# Altium PCB GPRS-ADM2483-V1.0_______中科院TF卡.PcbDoc (part 1 of 3) (continued)
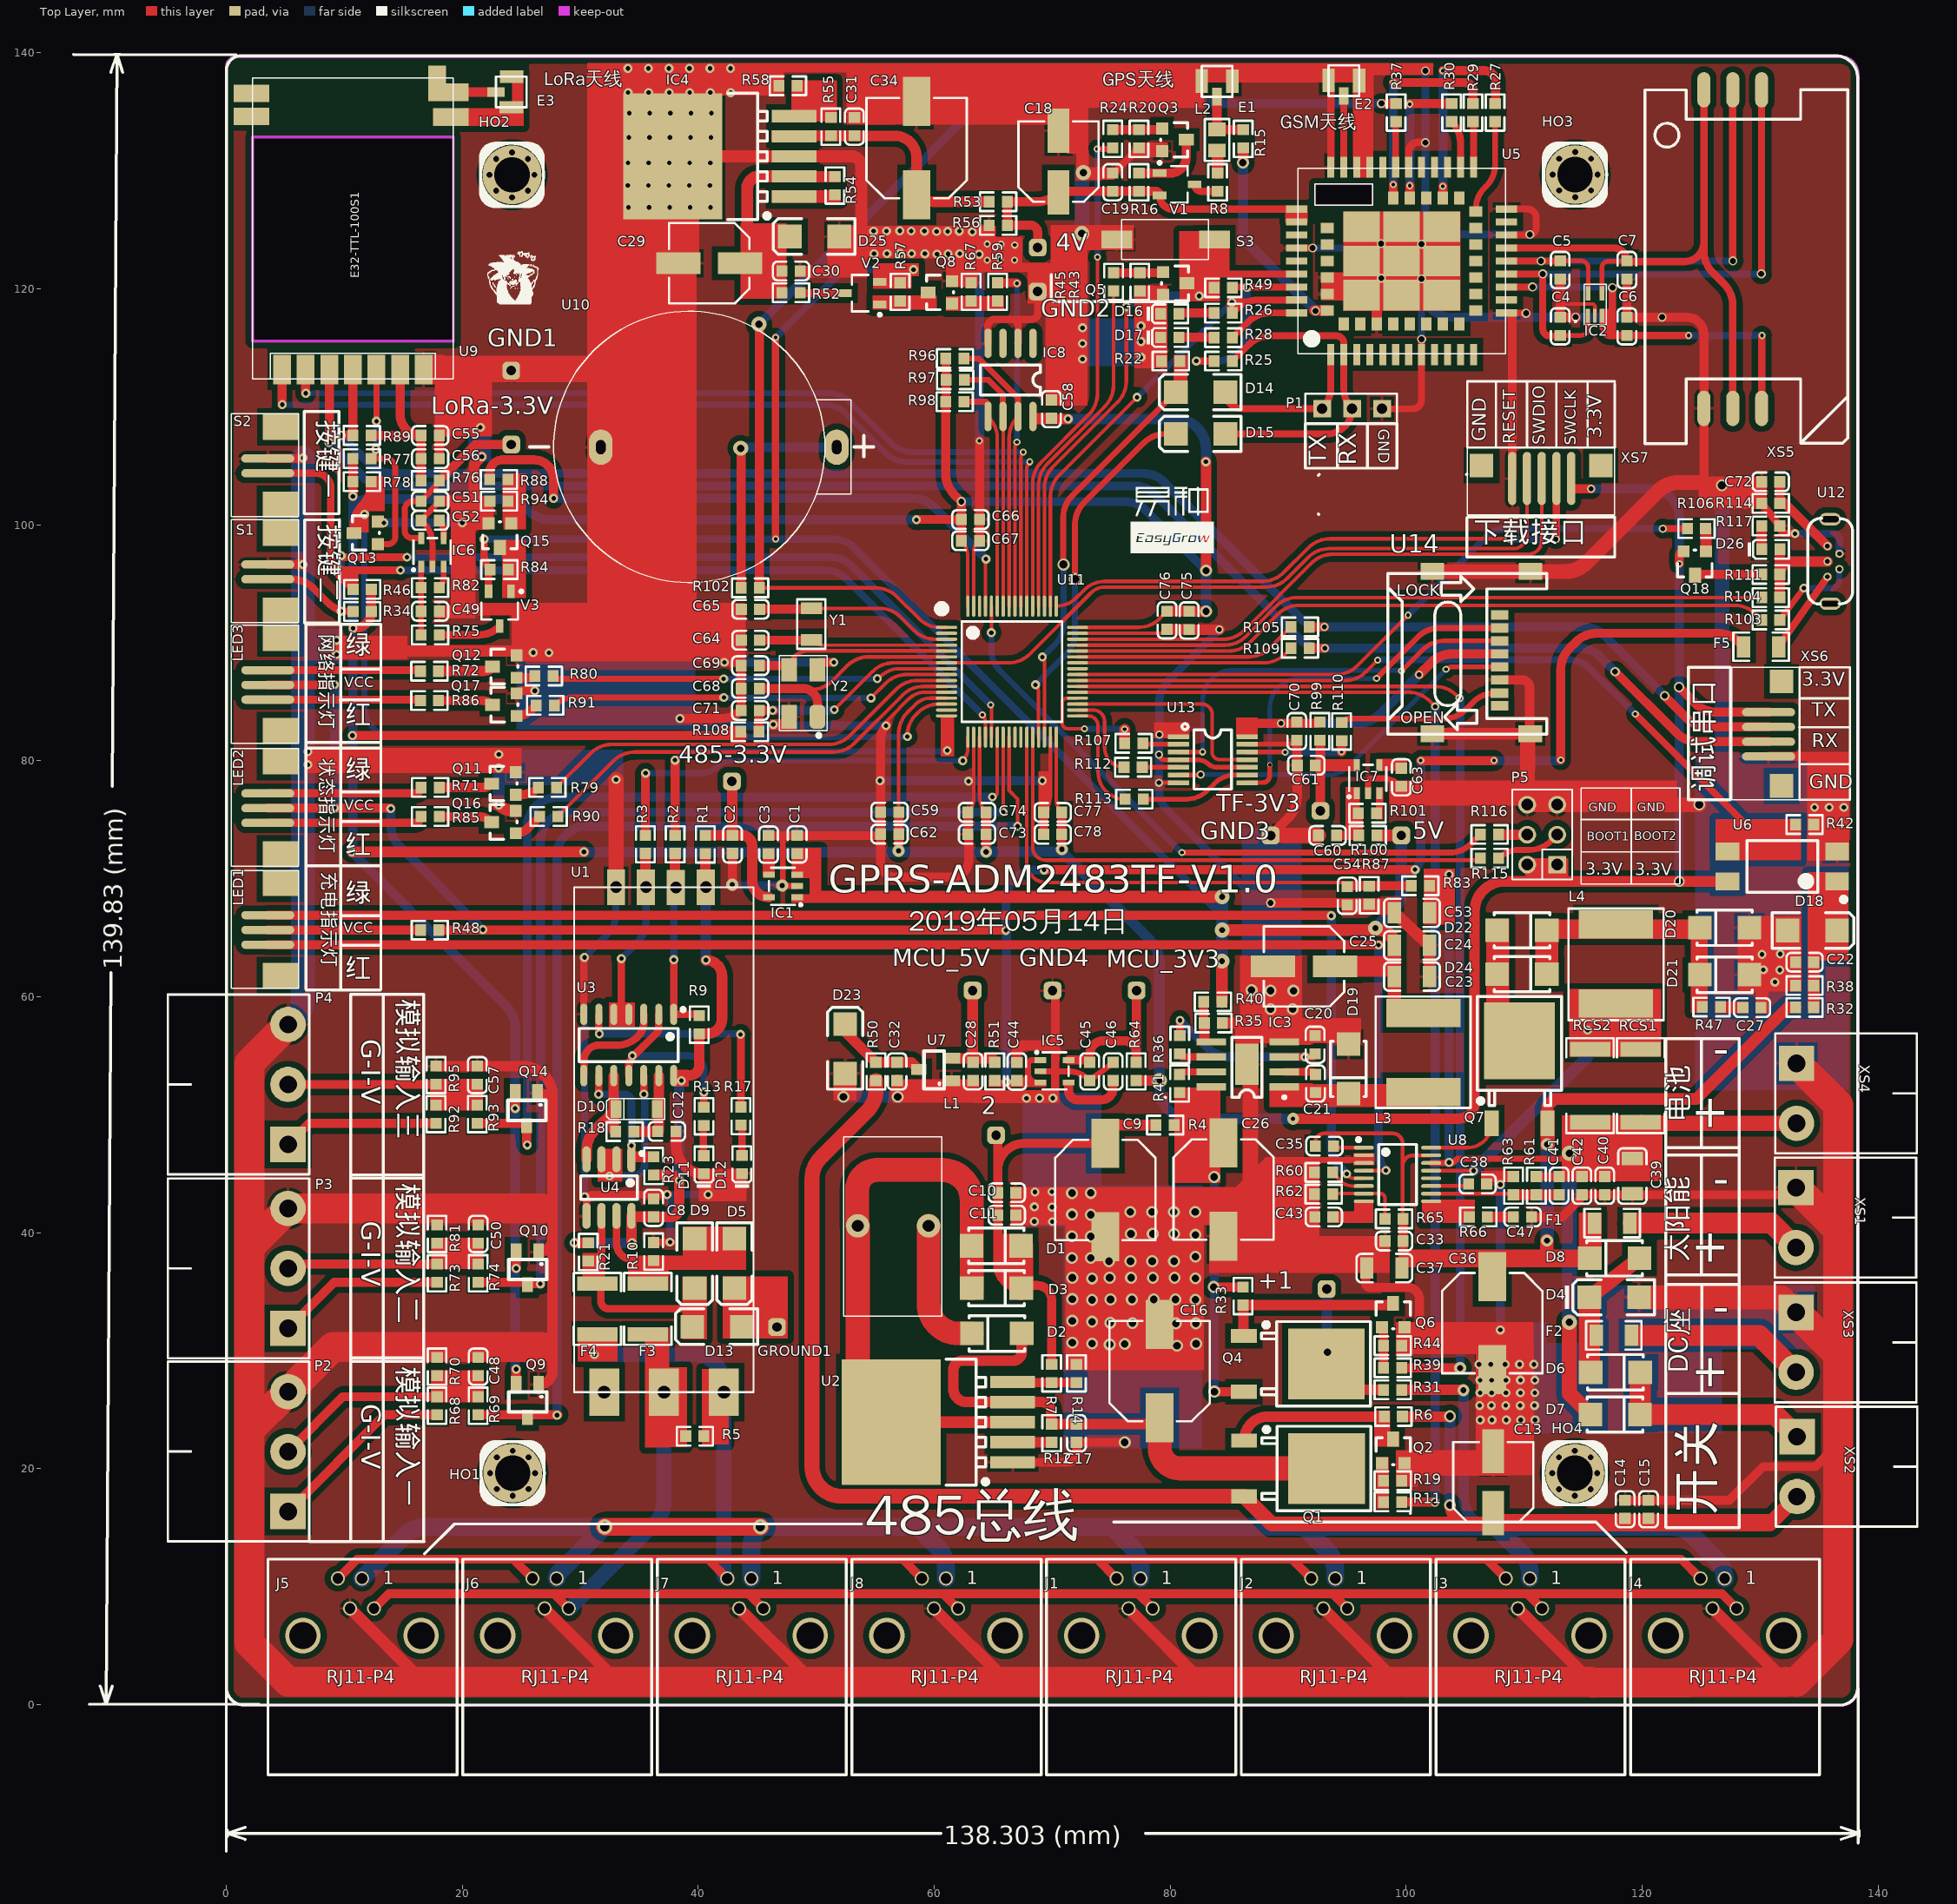
[diagram p0: Top Layer view]
## Components (designator, comment, footprint, x,y, rotation, side; value= is the part's Value field where it differs from the comment) (continued)
Q3 "SS8050" SOT-23 79.316,133.702 r270 top
Q4 "AOD413A" TO-252-2 86.237,28.881 r180 top
Q5 "SS8050" SOT-23 79.382,121.532 r270 top
Q6 "SS8050" SOT-23 97.836,31.953 r0 top
Q7 "AOD413A" TO-252-2 109.618,49.256 r270 top
Q8 "SS8050" SOT-23 61.529,118.612 r90 top
Q9 "BAT54S" SOT-23-3 26.464,27.112 r180 top
Q10 "BAT54S" SOT-23-3 26.464,38.348 r180 top
Q11 "SS8050" SOT-23 24.545,76.985 r90 top
Q12 "SS8050" SOT-23 24.619,86.906 r90 top
Q13 "SS8050" SOT-23 12.869,98.223 r90 top
Q14 "BAT54S" SOT-23-3 26.386,51.832 r180 top
Q15 "SS8050" SOT-23 24.263,100.122 r180 top
Q16 "SS8050" SOT-23 24.545,73.726 r90 top
Q17 "SS8050" SOT-23 24.619,83.667 r90 top
Q18 "SS8550" SOT-23 125.549,97.755 r180 top
R1 "0Ω (0R0) ±1%" LC-0603_R 40.606,72.895 r270 top
R2 "0Ω (0R0) ±1%" LC-0603_R 38.037,72.908 r270 top
R3 "0Ω (0R0) ±1%" LC-0603_R 35.519,72.908 r270 top
R4 "0Ω (0R0) ±1%" LC-0603_R 79.572,49.111 r0 top
R5 "120Ω (1200) ±1%" LC-0603_R 39.716,22.743 r0 top
R6 "100KΩ (1003) ±1%" LC-0603_R 98.917,24.402 r0 top
R7 "180KΩ (1803) ±1%" LC-0603_R 69.955,28.058 r90 top
R8 "22Ω (22R0) ±1%" LC-0603_R 84.025,129.025 r270 top
R9 "4.7KΩ (4701) ±1%" LC-0603_R 40.091,57.622 r270 top
R10 "4.7KΩ (4701) ±1%" LC-0603_R 36.217,38.389 r270 top
R11 "3.3KΩ (3301) ±1%" LC-0603_R 98.865,17.17 r180 top
R12 "100KΩ (1003) ±1%" LC-0603_R 69.955,22.995 r90 top
R13 "1KΩ (1001) ±1%" LC-0603_R 40.482,49.849 r90 top
R14 "20KΩ (2002) ±1%" LC-0603_R 72.061,28.058 r270 top
R15 "0Ω (0R0) ±1%" LC-0603_R 86.195,132.71 r90 top
R16 "100KΩ (1003) ±1%" LC-0603_R 77.357,129.025 r90 top
R17 "1KΩ (1001) ±1%" LC-0603_R 43.625,49.87 r90 top
R18 "56KΩ (5602) ±1%" LC-0603_R 33.77,48.559 r0 top
R19 "10KΩ (1002) ±1%" LC-0603_R 98.865,18.961 r180 top
R20 "10KΩ (1002) ±1%" LC-0603_R 77.357,132.71 r270 top
R21 "4.7KΩ (4701) ±1%" LC-0603_R 30.679,38.356 r270 top
R22 "10KΩ (1002) ±1%" LC-0603_R 80.051,113.871 r0 top
R23 "4.7KΩ (4701) ±1%" LC-0603_R 36.217,45.643 r90 top
R24 "3.3KΩ (3301) ±1%" LC-0603_R 75.134,132.71 r90 top
R25 "10KΩ (1002) ±1%" LC-0603_R 84.507,113.871 r180 top
R26 "1KΩ (1001) ±1%" LC-0603_R 84.507,117.94 r180 top
R27 "10KΩ (1002) ±1%" LC-0603_R 107.541,134.936 r90 top
R28 "1KΩ (1001) ±1%" LC-0603_R 84.507,115.848 r180 top
R29 "0Ω (0R0) ±1%" LC-0603_R 105.671,134.936 r90 top
R30 "0Ω (0R0) ±1%" LC-0603_R 103.856,134.936 r90 top
R31 "0Ω (0R0) ±1%" LC-0603_R 98.865,26.667 r0 top
R32 "1KΩ (1001) ±1%" LC-0603_R 133.775,59.079 r180 top
R33 "100KΩ (1003) ±1%" LC-0603_R 86.17,34.622 r270 top
R34 "10KΩ (1002) ±1%" LC-0603_R 11.52,92.642 r180 top
R35 "7.68KΩ (70681) ±1%" LC-0603_R 83.669,57.754 r0 top
R36 "100KΩ (1003) ±1%" LC-0603_R 80.812,55.921 r90 top
R37 "0Ω (0R0) ±1%" LC-0603_R 99.155,134.936 r90 top
R38 "1KΩ (1001) ±1%" LC-0603_R 133.775,60.937 r0 top
R39 "3.3KΩ (3301) ±1%" LC-0603_R 98.865,28.54 r180 top
R40 "40.2KΩ (4022) ±1%" LC-0603_R 83.619,59.558 r180 top
R41 "1MΩ (1004) ±1%" LC-0603_R 80.807,52.634 r90 top
R42 "4.7KΩ (4701) ±1%" LC-0603_R 133.775,74.587 r180 top
R43 "4.7KΩ (4701) ±1%" LC-0603_R 77.423,120.583 r270 top
R44 "10KΩ (1002) ±1%" LC-0603_R 98.865,30.413 r180 top
R45 "4.7KΩ (4701) ±1%" LC-0603_R 75.2,120.583 r90 top
R46 "10KΩ (1002) ±1%" LC-0603_R 11.52,94.514 r180 top
R47 "200Ω (2000) ±1%" LC-0603_R 125.879,59.116 r0 top
R48 "1KΩ (1001) ±1%" LC-0603_R 17.244,65.634 r0 top
R49 "10KΩ (1002) ±1%" LC-0603_R 84.507,120.077 r180 top
R50 "0Ω (0R0) ±1%" LC-0603_R 55.06,53.657 r90 top
R51 "0Ω (0R0) ±1%" LC-0603_R 65.134,53.657 r270 top
R52 "0Ω (0R0) ±1%" LC-0603_R 47.864,119.662 r180 top
R53 "0Ω (0R0) ±1%" LC-0603_R 65.423,127.373 r0 top
R54 "100KΩ (1003) ±1%" LC-0603_R 51.587,128.739 r90 top
R55 "100KΩ (1003) ±1%" LC-0603_R 51.248,133.741 r270 top
R56 "470Ω (4700) ±1%" LC-0603_R 65.423,125.366 r0 top
R57 "100KΩ (1003) ±1%" LC-0603_R 57.113,119.736 r270 top
R58 "43KΩ (4302) ±1%" LC-0603_R 47.605,137.197 r0 top
R59 "3.3KΩ (3301) ±1%" LC-0603_R 65.369,119.736 r270 top
R60 "10KΩ (1002) ±1%" LC-0603_R 93.01,45.097 r0 top
R61 "24.9KΩ (2492) ±1%" LC-0603_R 111.036,43.975 r90 top
R62 "10KΩ (1002) ±1%" LC-0603_R 93.01,43.253 r0 top
R63 "10KΩ (1002) ±1%" LC-0603_R 109.1,43.975 r270 top
R64 "0Ω (0R0) ±1%" LC-0603_R 77.126,53.657 r270 top
R65 "105KΩ (1053) ±1%" LC-0603_R 98.98,41.166 r0 top
R66 "120Ω (1200) ±1%" LC-0603_R 106.121,41.321 r180 top
R67 "10KΩ (1002) ±1%" LC-0603_R 63.133,119.736 r270 top
R68 "1.2KΩ (1201) ±1%" LC-0603_R 17.863,25.318 r90 top
R69 "10KΩ (1002) ±1%" LC-0603_R 21.354,25.318 r270 top
R70 "120Ω (1200) ±1%" LC-0603_R 17.863,28.635 r270 top
R71 "1KΩ (1001) ±1%" LC-0603_R 17.274,77.726 r180 top
R72 "1KΩ (1001) ±1%" LC-0603_R 17.221,87.587 r180 top
R73 "1.2KΩ (1201) ±1%" LC-0603_R 17.863,36.554 r90 top
R74 "10KΩ (1002) ±1%" LC-0603_R 21.354,36.554 r270 top
R75 "0Ω (0R0) ±1%" LC-0603_R 17.28,90.653 r180 top
R76 "0Ω (0R0) ±1%" LC-0603_R 17.274,103.741 r180 top
R77 "100KΩ (1003) ±1%" LC-0603_R 11.498,105.6 r180 top
R78 "10KΩ (1002) ±1%" LC-0603_R 11.498,103.647 r180 top
R79 "1KΩ (1001) ±1%" LC-0603_R 27.213,77.726 r180 top
R80 "1KΩ (1001) ±1%" LC-0603_R 26.923,87.171 r180 top
R81 "120Ω (1200) ±1%" LC-0603_R 17.863,39.883 r270 top
R82 "100KΩ (1003) ±1%" LC-0603_R 17.28,94.665 r0 top
R83 "100KΩ (1003) ±1%" LC-0603_R 101.206,69.395 r0 top
R84 "100KΩ (1003) ±1%" LC-0603_R 23.139,96.188 r0 top
R85 "1KΩ (1001) ±1%" LC-0603_R 17.274,75.263 r180 top
R86 "1KΩ (1001) ±1%" LC-0603_R 17.221,85.099 r180 top
R87 "20KΩ (2002) ±1%" LC-0603_R 96.867,68.6 r90 top
R88 "3.3KΩ (3301) ±1%" LC-0603_R 23.103,103.83 r0 top
R89 "1KΩ (1001) ±1%" LC-0603_R 11.498,107.564 r180 top
R90 "1KΩ (1001) ±1%" LC-0603_R 27.327,75.263 r180 top
R91 "1KΩ (1001) ±1%" LC-0603_R 27.03,84.683 r180 top
R92 "1.2KΩ (1201) ±1%" LC-0603_R 17.785,50.038 r90 top
R93 "10KΩ (1002) ±1%" LC-0603_R 21.275,50.038 r270 top
R94 "10KΩ (1002) ±1%" LC-0603_R 23.114,101.99 r0 top
R95 "120Ω (1200) ±1%" LC-0603_R 17.785,53.345 r270 top
R96 "10KΩ (1002) ±1%" LC-0603_R 61.76,114.084 r180 top
R97 "10KΩ (1002) ±1%" LC-0603_R 61.778,112.278 r180 top
R98 "10KΩ (1002) ±1%" LC-0603_R 61.742,110.416 r180 top
R99 "0Ω (0R0) ±1%" LC-0603_R 92.687,82.493 r90 top
R100 "0Ω (0R0) ±1%" LC-0603_R 96.749,73.66 r180 top
R101 "100KΩ (1003) ±1%" LC-0603_R 96.723,75.54 r0 top
R102 "0Ω (0R0) ±1%" LC-0603_R 44.406,94.644 r180 top
R103 "22Ω (22R0) ±1%" LC-0603_R 130.906,91.918 r180 top
R104 "22Ω (22R0) ±1%" LC-0603_R 130.906,93.827 r180 top
R105 "0Ω (0R0) ±1%" LC-0603_R 91.008,91.338 r0 top
R106 "1KΩ (1001) ±1%" LC-0603_R 124.612,99.67 r180 top
R107 "3.3KΩ (3301) ±1%" LC-0603_R 76.911,81.472 r0 top
R108 "10KΩ (1002) ±1%" LC-0603_R 44.379,82.454 r0 top
R109 "0Ω (0R0) ±1%" LC-0603_R 91.008,89.535 r0 top
R110 "3.3KΩ (3301) ±1%" LC-0603_R 94.539,82.474 r90 top
R111 "1KΩ (1001) ±1%" LC-0603_R 130.906,95.781 r180 top
R112 "3.3KΩ (3301) ±1%" LC-0603_R 76.86,79.451 r0 top
R113 "3.3KΩ (3301) ±1%" LC-0603_R 76.962,76.733 r180 top
R114 "10KΩ (1002) ±1%" LC-0603_R 130.906,101.815 r0 top
R115 "10KΩ (1002) ±1%" LC-0603_R 107.076,71.73 r0 top
R116 "10KΩ (1002) ±1%" LC-0603_R 107.076,73.747 r180 top
R117 "1KΩ (1001) ±1%" LC-0603_R 130.906,99.895 r0 top
RCS1 "0.4R" R-2512 119.882,52.451 r90 top value=NC
RCS2 "0.4R" R-2512 115.592,52.451 r90 top value=0.12R
S1 "SW-PB" JXT-2-L 3.516,95.378 r0 top
S2 "SW-PB" JXT-2-L 3.516,104.362 r0 top
S3 "SW-PB" 轻触(3*6*4.3) 75.871,124.164 r0 top
TF-3V3 "3.3V" TEST_POINT 92.735,75.743 r90 top (schematic designator TF-1)
U1 "RS485模块" RS485MOD 44.694,69.273 r270 top locked
U2 "XL6019" TO-263-5 66.651,23.93 r90 top
U3 "74HC04D" SOIC-14_150MIL 34.117,55.902 r180 top
U4 "MAX485ESA" SOP-8_150MIL 32.437,43.813 r180 top
U5 "SIM868-DS" SIM868 99.617,122.351 r90 top
U6 "PC817" PC817 131.889,71.033 r180 top
U7 "RT9161-50GV" SOT-23-3 61.458,52.875 r90 top
U8 "CN3722" TSSOP-16 99.273,44.924 r270 top
U9 "E32-TTL-100S1" E32-TTL-100S1 19.229,112.36 r90 top
U10 "CR2032" "CR2032 - 1" 39.24,106.595 r180 top locked
U11 "STM32F103RCT6" LQFP-64_10X10X05P 66.599,87.544 r270 top
U12 "立式micro 5p USB插座" "USB插座 MICRO 5P" 135.72,96.886 r90 top
U13 "74LVC125APW" TSSOP-14 83.617,80.086 r0 top
U14 "TF-002T-15" TF-002T-15 106.378,89.157 r90 top
V1 "AO3401A" SOT-23-3L 80.584,128.848 r180 top
V2 "AO3401A" SOT-23-3L 53.92,119.626 r0 top
V3 "AO3401A" SOT-23-3L 23.177,92.871 r90 top
XS1 "WJ2EDGR-5.08-2" WJ2EDGR-5.08-2 133.171,41.401 r270 top
XS2 "WJ2EDGR-5.08-2" WJ2EDGR-5.08-2 133.267,20.291 r270 top
XS3 "WJ2EDGR-5.08-2" WJ2EDGR-5.08-2 133.19,30.821 r270 top
XS4 "WJ2EDGR-5.08-2" WJ2EDGR-5.08-2 133.224,51.93 r270 top
XS5 "DS1138-02-06SS4BOR" SIM-1 127.69,123.359 r270 top
XS6 "1.27 4PIN" JXT-4 130.724,80.358 r0 top
XS7 "1.25X4" JXT-5 113.996,103.921 r90 top
Y1 "32.768k" 3215_32.768K 49.591,91.563 r90 top
Y2 "8M" SMD-5032_4P 48.901,85.717 r90 top

## Footprints (in the part's own frame and the unit in brackets; to place one, negate y for a bottom-side part, rotate by r counter-clockwise, add the part's x,y. Pads: shape width x height; smd on the part's side, far side on the other; paste and mask are expansions set on the pad)
201S2X3 [mm]
  rect 1.5x1.5 hole 1: 1(0,0)
  round 1.5 hole 1: 2(0,2.54) 3(2.54,0) 4(2.54,2.54) 5(5.08,0) 6(5.08,2.54)
  silkscreen extent -1.27,-1.27 6.35,3.81, body extent -1.27,-1.23 6.35,3.77, height 8.4
3215_32.768K [mm]
  rect 1x1.8 smd: 1(-1.346,0) 2(1.346,0)
  silkscreen extent -2.08,-1.19 2.11,1.19, body extent -1.53,-0.71 1.67,0.79, height 0.86
C-1206 [mm]
  rect 1.13x1.8 smd: 1(-1.49,0) 2(1.49,0)
  silkscreen extent -2.36,-1.2 2.35,1.2, body extent -1.6,-0.81 1.6,0.79, height 1
CAPAE6.3*7.7 [mm]
  rect 3.75x1.85 smd: 1(-2.625,0) 2(2.625,0)
  silkscreen extent -3.4,-3.4 3.4,3.4, body extent -3.4,-3.4 3.4,3.4, height 7.7
CAPAE8*10.5 [mm]
  rect 4.15x2.35 smd: 1(-3.95,0) 2(3.95,0)
  silkscreen extent -4.25,-4.25 4.25,4.25, body extent -4.25,-4.25 4.25,4.25, height 10.5
"CR2032 - 1" [mm]
  oval 2x3 hole 0.8 slot 1.2 at 90 deg: 1(-12.5,0.025) 2(7.5,0.025)
  silkscreen extent -15.6,-11.5 13.51,11.5, body extent -13.55,-11 10.95,11, height 8.5
DO-214AC [mm]
  rect 2x2 smd: 1(-2.049,0) 2(2.151,0)
  silkscreen extent -3.38,-1.5 3.55,1.5, body extent -2.25,-1.35 2.35,1.35, height 2.4
E32-TTL-100S1 [mm]
  rect 2.5x1.5 smd: 1(0.8,14.5) 2(0.8,12.5) 3(0.8,10.5) 4(0.8,8.5) 5(0.8,6.5) 6(0.8,4.5) 7(0.8,2.5)
  rect 1.5x3 smd: 8(22.2,0.2) 9(24.3,0.2) 10(24.2,17.098) 11(22.25,17.098)
  rect 3x1.5 smd: 9(25.05,1.372)
  silkscreen extent 0,0 25.5,17
FUSE-1206 [mm]
  rect 1.13x1.8 smd: 1(-1.49,0) 2(1.49,0)
  silkscreen extent -2.35,-1.2 2.35,1.2, body extent -1.58,-0.83 1.63,0.83, height 0.56
FUSE-1812 [mm]
  rect 1.2x3.42 smd: 1(-2.15,0) 2(2.15,0)
  silkscreen extent -3.05,-2.01 3.05,2.01, body extent -2.41,-1.61 2.41,1.61, height 1.32
GDCD8040 [mm]
  rect 2.4x6.3 smd: 1(-2.9,0) 2(3.8,0)
  silkscreen extent -4.24,-4.01 5.21,4.04, body extent -3.6,-4 4.42,4, height 4.5
HDR1X3 [mm]
  rect 1.5x1.5 hole 0.9: 1(-0.073,-0.008) 2(-0.073,-2.548) 3(-0.073,-5.088)
  silkscreen extent -1.34,-6.51 1.2,1.26, body extent -1.3,-6.48 1.24,1.14, height 8.54
INDUCTOT(47UH) [mm]
  round 2 hole 1: 1(-3,0) 2(3,0)
  silkscreen extent -4.11,-7.55 4.19,7.65, body extent -3.93,-10.89 3.87,10.89, height 21.89
IPEX1 [mm]
  rect 1.054x2 smd: 1(1.076,-0.254) 3(-1.524,-0.229)
  rect 0.8x1.5 smd: 2(-0.229,1.076)
  silkscreen extent -1.52,-1.52 1.08,1.08, body extent -1.7,-1.78 1.3,1.32, height 1.25
JXT-2-L [mm]
  rect 3x2.2 smd: 0(1.092,-2.652) 0(1.092,3.922)
  oval 4.5x0.7 smd: 1(0,1.25) 2(0,0)
  silkscreen extent -3.1,-3.68 2.62,5.05, body extent -1.82,-3.19 2.38,4.46, height 4.8
JXT-3-L [mm]
  rect 3x2.2 smd: 0(1.092,-2.652) 0(1.092,5.217)
  oval 4.5x0.7 smd: 1(0,2.5) 2(0,1.25) 3(0,0)
  silkscreen extent -3.1,-3.68 2.62,6.3, body extent -1.79,-3.21 2.41,5.69, height 4.7
JXT-4 [mm]
  rect 2x2 smd: 0(1.1,-2.5) 0(1.1,6.35)
  oval 4.5x0.7 smd: 1(0,3.75) 2(0,2.5) 3(0,1.25) 4(0,0)
  silkscreen extent -3.1,-3.68 2.62,7.55, body extent -2.08,-3.27 2.62,7.02, height 3.35
JXT-5 [mm]
  rect 2x2 smd: 0(1.1,7.6) 0(1.1,-2.5)
  oval 4.5x0.7 smd: 1(0,5) 2(0,3.75) 3(0,2.5) 4(0,1.25) 5(0,0)
  silkscreen extent -3.1,-3.68 2.62,8.8, body extent -2.01,-3.26 2.69,8.28, height 3.35
L-0805 [mm]
  rect 1.16x1.47 smd: 1(-0.89,0) 2(0.89,0)
  silkscreen extent -1.77,-1.04 1.77,1.03, body extent -1,-0.64 1,0.64, height 0.6
LC-0603_C [mm]
  rect 0.93x0.98 smd: 1(-0.77,0) 2(0.77,0)
  silkscreen extent -1.54,-0.79 1.54,0.79, body extent -0.8,-0.4 0.8,0.4, height 0.3
LC-0603_LED_S1 [mm]
  rect 0.93x0.98 smd: A(0.77,0) K(-0.77,0)
  silkscreen extent -1.97,-0.79 1.54,0.79, body extent -0.8,-0.4 0.8,0.4, height 0.6
LC-0603_R [mm]
  rect 0.93x0.98 smd: 1(-0.77,0) 2(0.77,0)
  silkscreen extent -1.53,-0.79 1.54,0.79, body extent -0.85,-0.4 0.85,0.4, height 0.56
LC-1206_C [mm]
  rect 1.13x1.8 smd: 1(-1.49,0) 2(1.49,0)
  silkscreen extent -2.36,-1.2 2.35,1.2, body extent -1.6,-0.81 1.6,0.79, height 1
LC-SMA(DO-214AC)_S1 [mm]
  rect 2x2 smd: 1(2.1,0) 2(-2.1,0)
  silkscreen extent -2.35,-1.5 2.35,1.5
LC-SMA(DO-214AC)_S5 [mm]
  rect 2x2 smd: 1(2.1,0) 2(-2.1,0)
  silkscreen extent -4.2,-1.5 3.43,1.5, body extent -2.35,-1.35 2.25,1.35, height 2.4
LL-34 [mm]
  rect 0.9x1.5 smd: 1(1.75,0) 2(-1.75,0)
  silkscreen extent -2.57,-0.91 2.39,0.89, body extent -1.75,-0.75 1.75,0.75, height 1.45
LQFP-64_10X10X05P [mm]
  oval 0.28x1.8 smd mask+0.051: 1(-3.75,-5.55) 2(-3.25,-5.55) 3(-2.75,-5.55) 4(-2.25,-5.55) 5(-1.75,-5.55) 6(-1.25,-5.55) 7(-0.75,-5.55) 8(-0.25,-5.55) 9(0.25,-5.55) 10(0.75,-5.55) 11(1.25,-5.55) 12(1.75,-5.55) 13(2.25,-5.55) 14(2.75,-5.55) 15(3.25,-5.55) 16(3.75,-5.55) 33(3.75,5.55) 34(3.25,5.55) 35(2.75,5.55) 36(2.25,5.55) 37(1.75,5.55) 38(1.25,5.55) 39(0.75,5.55) 40(0.25,5.55) 41(-0.25,5.55) 42(-0.75,5.55) 43(-1.25,5.55) 44(-1.75,5.55) 45(-2.25,5.55) 46(-2.75,5.55) 47(-3.25,5.55) 48(-3.75,5.55)
  oval 1.8x0.28 smd mask+0.051: 17(5.55,-3.75) 18(5.55,-3.25) 19(5.55,-2.75) 20(5.55,-2.25) 21(5.55,-1.75) 22(5.55,-1.25) 23(5.55,-0.75) 24(5.55,-0.25) 25(5.55,0.25) 26(5.55,0.75) 27(5.55,1.25) 28(5.55,1.75) 29(5.55,2.25) 30(5.55,2.75) 31(5.55,3.25) 32(5.55,3.75) 49(-5.55,3.75) 50(-5.55,3.25) 51(-5.55,2.75) 52(-5.55,2.25) 53(-5.55,1.75) 54(-5.55,1.25) 55(-5.55,0.75) 56(-5.55,0.25) 57(-5.55,-0.25) 58(-5.55,-0.75) 59(-5.55,-1.25) 60(-5.55,-1.75) 61(-5.55,-2.25) 62(-5.55,-2.75) 63(-5.55,-3.25) 64(-5.55,-3.75)
  silkscreen extent -5.48,-6.12 4.25,4.25, body extent -6,-6 6,6, height 1.6
MIC29302WU [mm]
  rect 8.4x10.65 smd: 0(-10.3,0)
  rect 3.8x1.05 smd: 1(0,-3.4) 2(0,-1.7) 3(0,0) 4(0,1.7) 5(0,3.4)
  silkscreen extent -5.65,-5.35 -2.1,5.35, body extent -14.03,-5.05 1.64,4.95, height 4.78
PC817 [mm]
  rect 2x1.5 smd: 1(-4.65,1.27) 2(-4.65,-1.27) 3(4.65,-1.27) 4(4.65,1.27)
  silkscreen extent -5.4,-2.2 3,3, body extent -5.02,-2.42 5.01,2.42, height 3.9
R-2512 [mm]
  rect 1.25x3.42 smd: 1(-3.1,0) 2(3.1,0)
  silkscreen extent -4.03,-2.01 4.03,2.01, body extent -3.16,-1.6 3.16,1.6, height 0.62
RJ11_P4 [mm]
  round 1.2 hole 0.9: 1(5.051,4.789) 2(6.071,2.249) 3(3.011,4.789) 4(4.031,2.249)
  silkscreen extent -2.92,-11.86 13.11,6.43, body extent -1.52,-5.74 10.58,7.26, height 14.92
RS485MOD [mm]
  rect 3x1.524 hole 1: 1(0,-4.05) 2(0.025,-6.59) 3(0,-9.13) 4(0,-11.66)
  rect 4x2.54 hole 1.1: 5(42.8,-12.66) 6(42.8,-7.6) 7(42.8,-2.52)
  silkscreen extent 0,-15.22 42.8,0
SIM868 [mm]
  rect 1.8x0.6 smd: 1(-7.95,6) 2(-7.95,4.9) 3(-7.95,3.8) 4(-7.95,2.7) 5(-7.95,1.6) 6(-7.95,0.5) 7(-7.95,-0.6) 8(-7.95,-1.7) 9(-7.95,-2.8) 10(-7.95,-3.9) 11(-7.95,-5) 12(-7.95,-6.1) 22(7.95,-6.1) 23(7.95,-5) 24(7.95,-3.9) 25(7.95,-2.8) 26(7.95,-1.7) 27(7.95,-0.6) 28(7.95,0.5) 29(7.95,1.6) 30(7.95,2.7) 31(7.95,3.8) 32(7.95,4.9) 33(7.95,6)
  rect 0.6x1.8 smd: 13(-4.4,-8.9) 14(-3.3,-8.9) 15(-2.2,-8.9) 16(-1.1,-8.9) 17(0,-8.9) 18(1.1,-8.9) 19(2.2,-8.9) 20(3.3,-8.9) 21(4.4,-8.9) 34(4.4,8.9) 35(3.3,8.9) 36(2.2,8.9) 37(1.1,8.9) 38(0,8.9) 39(-1.1,8.9) 40(-2.2,8.9) 41(-3.3,8.9) 42(-4.4,8.9)
  rect 1.1x0.9 smd: 43(-5.35,4.9) 44(-5.35,3.5) 45(-5.35,2.1) 46(-5.35,0.7) 47(-5.35,-0.7) 48(-5.35,-2.1) 49(-5.35,-3.5) 50(-5.35,-4.9) 58(5.35,-4.9) 59(5.35,-3.5) 60(5.35,-2.1) 61(5.35,-0.7) 62(5.35,0.7)
  rect 0.9x1.1 smd: 51(-4.2,-6.3) 52(-2.8,-6.3) 53(-1.4,-6.3) 54(0,-6.3) 55(1.4,-6.3) 56(2.8,-6.3) 57(4.2,-6.3) 63(2.8,6.3) 64(1.4,6.3) 65(0,6.3) 66(-1.4,6.3) 67(-2.8,6.3) 68(-4.2,6.3)
  rect 2.6x3.1 smd: 69(-2.9,3.4) 70(-2.9,0) 71(-2.9,-3.4) 72(0,-3.4) 73(2.9,-3.4) 74(2.9,0) 75(2.9,3.4) 76(0,3.4) 77(0,0)
  Keep-Out Layer region: 4.75,2.45 6.502,2.45 6.502,7.341 4.75,7.341
  silkscreen extent -7.85,-8.8 7.85,8.8, body extent -7.82,-8.81 7.88,8.79, height 2.6
SIM-1 [mm]
  oval 3x1.1 smd: 1(-13.5,-2.45) 2(-13.5,0) 3(-13.5,2.45) 4(13.5,-2.45) 5(13.5,0) 6(13.5,2.45)
  silkscreen extent -13.5,-7.45 16.5,9.75, body extent -13.1,-7.43 16.54,9.77, height 2.6
SMA(DO-214AC) [mm]
  rect 2x2 smd: 1(2.1,0) 2(-2.1,0)
  silkscreen extent -3.5,-1.5 3.43,1.5, body extent -2.35,-1.35 2.25,1.35, height 2.4
SMD-5032_4P [mm]
  rrect50% 2x1.3 smd: 1(-2,-1.2)
  rect 2x1.3 smd: 2(2,-1.2) 3(2,1.2) 4(-2,1.2)
  silkscreen extent -3.73,-2.03 3.17,2.03, body extent -2.6,-1.68 2.6,1.72, height 1
SO8 [mm]
  oval 2.5x0.61 smd: 1(0,0) 2(0,-1.27) 3(0,-2.54) 4(0,-3.81) 5(6.2,-3.81) 6(6.2,-2.54) 7(6.2,-1.27) 8(6.2,0)
  silkscreen extent 1.82,-4.44 4.36,0.64, body extent 0.12,-4.35 6.12,0.55, height 1.7
"SO8 -TP" [mm]
  rect 2.5x0.61 smd: 1(0,0) 2(0,-1.27) 3(0,-2.54) 4(0,-3.81) 5(6.2,-3.81) 6(6.2,-2.54) 7(6.2,-1.27) 8(6.2,0)
  rect 2x3.5 smd: 9(3.175,-1.905)
  silkscreen extent -0.13,-4.19 4.44,1.02, body extent 0.07,-4.33 6.07,0.57, height 1.7
SOIC-14_150MIL [mm]
  oval 0.6x1.8 smd: 1(-3.81,-2.6) 2(-2.54,-2.6) 3(-1.27,-2.6) 4(0,-2.6) 5(1.27,-2.6) 6(2.54,-2.6) 7(3.81,-2.6) 8(3.81,2.6) 9(2.54,2.6) 10(1.27,2.6) 11(0,2.6) 12(-1.27,2.6) 13(-2.54,2.6) 14(-3.81,2.6)
  silkscreen extent -4.75,-3.15 4.2,1.4, body extent -4.27,-2.9 4.28,2.9, height 1.75
SOP-8_150MIL [mm]
  oval 0.7x2.2 smd: 1(-1.905,-2.4) 2(-0.635,-2.4) 3(0.635,-2.4) 4(1.905,-2.4) 5(1.905,2.4) 6(0.635,2.4) 7(-0.635,2.4) 8(-1.905,2.4)
  silkscreen extent -2.95,-3.05 2.4,1, body extent -2.5,-3.1 2.5,3.1, height 1.75
SOT23-5 [mm]
  rect 0.5x1 smd: 1(0.066,-2.343) 2(1.016,-2.343) 3(1.966,-2.343) 4(1.966,0.057) 5(0.066,0.057)
  silkscreen extent -0.68,-2.74 2.57,0.06, body extent -0.43,-2.54 2.47,0.26, height 1.2
SOT-23 [mil]
  rect 40x40 smd: 1(4.88,0.63) 2(79.88,0.63)
  rect 40x50 smd: 3(41.88,80.63)
  silkscreen extent -15,-4 100,86, body extent -15,-11 99,99, height 47
SOT-23-3 [mil]
  rect 36x59.06 smd: 1(0,0) 2(74.8,0)
  rect 36x50 smd: 3(37,109)
  silkscreen extent -28,24 99,91, body extent -20,-1 94,109, height 47
SOT-23-3L [mm]
  rect 1.15x0.65 smd: 1(1.475,-0.95) 2(1.475,0.95) 3(-1.475,0)
  silkscreen extent -0.9,-1.95 1.6,1.55, body extent -1.32,-1.42 1.48,1.48, height 1.2
SOT-553 [mm]
  rect 1.2x0.4 smd: 1(0,0.102) 3(0,-1.092) 4(1.901,-1.092) 5(1.901,0.076)
  rect 1.2x0.3 smd: 2(0.004,-0.5)
  silkscreen extent -0.76,-1.47 2.67,1.24, body extent 0.17,-1.28 1.77,0.32, height 0.45
TEST_POINT [mm]
  rrect50% 1.5x1.5 hole 0.8: 1(0,0)
TF-002T-15 [mm]
  rect 0.8x1.5 smd: 1(3.195,-1.554) 2(2.092,-1.554) 3(0.993,-1.554) 4(-0.105,-1.554) 5(-1.207,-1.554) 6(-2.311,-1.554) 7(-3.432,-1.546) 8(-4.514,-1.554)
  rect 1.45x2 smd: 9(-6.88,-4.146) 10(6.88,-4.154) 11(6.88,4.155) 12(-6.88,4.155)
  silkscreen extent -6.9,-5.55 6.7,7.93
TO-252-2 [mm]
  rect 2.2x1.2 smd: 1(0,-2.361) 3(-0.004,2.361)
  rect 6.5x6 smd: 2(-7,0)
  silkscreen extent -10.75,-3.57 -1.5,3.57, body extent -9.74,-3.27 0.2,3.27, height 2.44
TO-263-5 [mm]
  rect 10.65x8.4 smd: 0(0,10.3)
  rect 1.05x3.8 smd: 1(-3.4,0) 2(-1.7,0) 3(0,0) 4(1.7,0) 5(3.4,0)
  silkscreen extent -5.35,2.1 5.35,5.65, body extent -4.97,-1.36 5.03,14.31, height 4.78
TSSOP-14 [mil]
  rect 71x16 smd: 1(-114,76.77) 2(-114,51.18) 3(-114,25.59) 4(-114,0) 5(-114,-25.59) 6(-114,-51.18) 7(-114,-76.77) 8(114,-76.77) 9(114,-51.18) 10(114,-25.59) 11(114,0) 12(114,25.59) 13(114,51.18) 14(114,76.77)
  silkscreen extent -103,-98 63,120
TSSOP-16 [mm]
  oval 0.32x1.7 smd: 1(-2.275,-2.85) 2(-1.625,-2.85) 3(-0.975,-2.85) 4(-0.325,-2.85) 5(0.325,-2.85) 6(0.975,-2.85) 7(1.625,-2.85) 8(2.275,-2.85) 9(2.275,2.85) 10(1.625,2.85) 11(0.975,2.85) 12(0.325,2.85) 13(-0.325,2.85) 14(-0.975,2.85) 15(-1.625,2.85) 16(-2.275,2.85)
  silkscreen extent -3.1,-3.45 2.55,1.6, body extent -2.55,-3.2 2.55,3.2, height 1.2
"USB插座 MICRO 5P" [mm]
  round 0.7 hole 0.4: 1(-1.3,0) 2(-0.65,-1) 3(0,0) 4(0.65,-1) 5(1.3,0)
  oval 1.05x1.84 hole 0.5 slot 1.44 at 90 deg: ""(-3.575,-0.22) ""(3.575,-0.22)
  silkscreen extent -3.61,-2.11 3.66,1.68
WJ2EDGR-5.08-2 [mm]
  rect 3x3 hole 1.5: 1(-2.413,-0.127)
  round 3 hole 1.5: 2(2.667,-0.127)
  silkscreen extent -4.95,-1.93 5.21,10.06, body extent -4.95,-2.09 5.21,9.91, height 8.6
WJ2EDGR-5.08-3 [mm]
  rect 3x3 hole 1.5: 1(-5.08,0)
  round 3 hole 1.5: 2(0,0) 3(5.08,0)
  silkscreen extent -7.62,-1.8 7.62,10.19, body extent -7.62,-2.1 7.62,9.91, height 8.6
安装孔 [mm]
  round 1 hole 0.5: 0(-1.905,0) 0(-1.347,-1.347) 0(-1.347,1.347) 0(0,-1.905) 0(0,1.905) 0(1.347,-1.347) 0(1.347,1.347) 0(1.905,0)
  round 5 hole 3: 0(0,0)
  silkscreen extent -2.71,-2.71 2.68,2.7
轻触(3*6*4.3) [mm]
  rect 2.6x1.5 smd: 1(-0.381,0) 2(7.899,0)
  silkscreen extent 0,-1.7 7.37,1.7, body extent -1.44,-1.75 8.96,1.75, height 5

## Part data
2 4V 5V +1 GND1 GND2 GND4 GROUND1 LoRa-3.3V MCU_5V TF-3V3: library part TEST_POINT, "测试点"
485-3.3V GND3 MCU_3V3: library part TEST_POINT
C1 C2 C11 C14 C17 C20 C28 C30 C32 C40 C44 C45 C49 C51 C56 C59 C60 C61: library part "0603 1uF (105) 10% 50V", "贴片电容", Package=0603, SuppliersPartNumber=C15849, ComponentLink1Description=供应, ComponentLink1URL=http://www.szlcsc.com/product/details_16531.html, Supplier=LC
C3 C46: library part "0603 22nF (223) 10% 50V", "贴片电容", Package=0603, SuppliersPartNumber=C21122, ComponentLink1Description=供应, ComponentLink1URL=http://www.szlcsc.com/product/details_21834.html, Supplier=LC
C4 C5 C6 C7: library part "0603 47pF (470) 5% 50V", "贴片电容", Package=0603, SuppliersPartNumber=C1671, ComponentLink1Description=供应, ComponentLink1URL=http://www.szlcsc.com/product/details_2023.html, Supplier=LC
C8 C10 C12 C15 C19 C21 C31 C33 C35 C38 C48 C50 C54 C55 C57 C58 C62 C67 C70 C71 C72 C73 C75 C77: library part "0603 100nF (104) 10% 50V", "贴片电容", Package=0603, SuppliersPartNumber=C14663, ComponentLink1Description=供应, ComponentLink1URL=http://www.szlcsc.com/product/details_15331.html, Supplier=LC
C9 C16 C26 C34 C36: library part "Cap -8*10.5", "贴片铝电解电容", LatestRevisionDate=17-Jul-2002, LatestRevisionNote="Re-released for DXP Platform.", PackageReference=RB7.6-15, Published=8-Jun-2000, Publisher="Altium Limited"
C13 C18 C25 C29: library part "Cap -6.3*7.7", "贴片铝电解电容", LatestRevisionDate=17-Jul-2002, LatestRevisionNote="Re-released for DXP Platform.", PackageReference=RB7.6-15, Published=8-Jun-2000, Publisher="Altium Limited"
C22 C42 C52 C63: library part "0603 10nF (103) 10% 50V", "贴片电容", Package=0603, SuppliersPartNumber=C57112, ComponentLink1Description=供应, ComponentLink1URL=http://www.szlcsc.com/product/details_58143.html, Supplier=LC
C23 C24: library part Cap, "贴片电容", LatestRevisionDate=17-Jul-2002, LatestRevisionNote="Re-released for DXP Platform.", PackageDescription="Radial Cap, Thru-Hole; 2 Leads; 0.3 in Pin Spacing", PackageReference=RAD-0.3, Published=8-Jun-2000, Publisher="Altium Limited"
C27: library part "0603 220pF (221) 10% 50V", "贴片电容", Package=0603, SuppliersPartNumber=C1603, ComponentLink1Description=供应, ComponentLink1URL=http://www.szlcsc.com/product/details_1955.html, Supplier=LC
C37 C39 C53: library part "1206 10uF (106) 10% 50V", "贴片电容", Package=1206, SuppliersPartNumber=C13585, ComponentLink1Description=供应, ComponentLink1URL=http://www.szlcsc.com/product/details_14236.html, Supplier=LC
C41: library part "0603 33pF (330) 5% 50V", "贴片电容", Package=0603, SuppliersPartNumber=C1663, ComponentLink1Description=供应, ComponentLink1URL=http://www.szlcsc.com/product/details_2015.html, Supplier=LC
C43: library part "0603 470pF (471) 10% 50V", "贴片电容", Package=0603, SuppliersPartNumber=C1620, ComponentLink1Description=供应, ComponentLink1URL=http://www.szlcsc.com/product/details_1972.html, Supplier=LC
C47: library part "0603 220nF (224) 10% 25V", "贴片电容", Package=0603, SuppliersPartNumber=C21120, ComponentLink1Description=供应, ComponentLink1URL=http://www.szlcsc.com/product/details_21832.html, Supplier=LC
C64 C65: library part "0603 6pF (6R0) 0.25pF 50V", "贴片电容", Package=0603, SuppliersPartNumber=C37474, ComponentLink1Description=供应, ComponentLink1URL=http://www.szlcsc.com/product/details_38453.html, Supplier=LC
C66 C74 C76 C78: library part "0603 10uF (106) 10% 10V", "贴片电容", Package=0603, SuppliersPartNumber=C19702, ComponentLink1Description=供应, ComponentLink1URL=http://www.szlcsc.com/product/details_20411.html, Supplier=LC
C68 C69: library part "0603 20pF (200) 5% 50V", "贴片电容", Package=0603, SuppliersPartNumber=C1648, ComponentLink1Description=供应, ComponentLink1URL=http://www.szlcsc.com/product/details_2000.html, Supplier=LC
D1 D2 D3 D6 D7 D8 D19 D20 D21 D22 D24: library part "SMA(DO-214AC) SS54", "二极管", Package=SMA(DO-214AC), SuppliersPartNumber=C22452, ComponentLink1Description=供应, ComponentLink1URL=http://www.szlcsc.com/product/details_23178.html, Supplier=LC
D4: "TVS二极管", Code_JEDEC=DO-204-AL, ComponentLink1Description=SMAJ30A, ComponentLink1URL=https://item.szlcsc.com/159563.html, DatasheetVersion=1998, LatestRevisionDate=17-Jul-2002, LatestRevisionNote="Re-released for DXP Platform.", PackageDescription="Diode, Axial; Body 5.2 x 2.7 mm (LxDia. max), Lead Dia. 0.86 mm (max)", PackageReference=DO-41, PackageVersion=Aug-1999, Published=8-Jun-2000, Publisher="Altium Limited"
D5 D9 D13: library part Diode, "通用二极管", PackageDocument=Sep-1996, Code_JEDEC=DO-214-AB, LatestRevisionDate=17-Jul-2002, LatestRevisionNote="Re-released for DXP Platform.", PackageReference=SMC, Published=8-Jun-2000, Publisher="Altium Limited"
D10: library part "Diode Zener", "稳压二极管", LatestRevisionDate=17-Jul-2002, LatestRevisionNote="Re-released for DXP Platform.", PackageDescription="Diode, Thru-Hole; 2 Leads; 0.7 in Pin Spacing", PackageReference=DIODE-0.7, Published=8-Jun-2000, Publisher="Altium Limited"
D11 D16: library part "0603 红灯", "发光二极管", Package=0603, SuppliersPartNumber=C2286, ComponentLink1Description=供应, ComponentLink1URL=http://www.szlcsc.com/product/details_2659.html, Supplier=LC
D12: library part "0603 蓝灯", "发光二极管", Package=0603, SuppliersPartNumber=C72041, ComponentLink1Description=供应, ComponentLink1URL=http://www.szlcsc.com/product/details_73150.html, Supplier=LC
D14 D15: library part Diode, "开关二极管", PackageDocument=Sep-1996, Code_JEDEC=DO-214-AB, LatestRevisionDate=17-Jul-2002, LatestRevisionNote="Re-released for DXP Platform.", PackageReference=SMC, Published=8-Jun-2000, Publisher="Altium Limited"
D17 D26: library part "0603 绿灯", "发光二极管", Package=0603, SuppliersPartNumber=C72043, ComponentLink1Description=供应, ComponentLink1URL=http://www.szlcsc.com/product/details_73152.html, Supplier=LC
D18: library part "Diode 1N4001", "二极管", Code_JEDEC=DO-204-AL, ComponentLink1Description="Manufacturer Link", ComponentLink1URL=http://www.fairchildsemi.com/, ComponentLink2Description=Datasheet, ComponentLink2URL=http://www.fairchildsemi.com/ds/1N%2F1N4001.pdf, DatasheetVersion=1998, LatestRevisionDate=17-Jul-2002, LatestRevisionNote="Re-released for DXP Platform.", PackageDescription="Diode, Axial; Body 5.2 x 2.7 mm (LxDia. max), Lead Dia. 0.86 mm (max)", PackageReference=DO-41, PackageVersion=Aug-1999, Published=8-Jun-2000, Publisher="Altium Limited"
D23 D25: library part "D Schottky", "TVS二极管", Code - JEDEC=DO-214-AA, Published=8-Jun-2000, Publisher="Altium Limited", Revision="July-2002: Re-released for DXP Platform."
E1 E2 E3: library part "Header 3H", "天线座IPEX", LatestRevisionDate=17-Jul-2002, LatestRevisionNote="Re-released for DXP Platform.", Publisher="Altium Limited"
F1 F2 F3 F4 F5: library part Fuse, "贴片保险丝", LatestRevisionDate=17-Jul-2002, LatestRevisionNote="Re-released for DXP Platform.", PackageReference=PIN-W2/E2.8, Published=8-Jun-2000, Publisher="Altium Limited"
IC1 IC5: library part CAT6219, "低压差线性稳压(LDO)"
IC2: "防静电"
IC3 U2: "DC-DCоƬ"
IC4 U7: "LDO"
IC6 IC7: library part CAT6219, "3.3V降压"
IC8: "EEPROM"
J1 J2 J3 J4 J5 J6 J7 J8: library part RJ11电话插座P4, "RJ11电话插座P4"
L1: library part INDUCTOR, "磁环电感"
L2: library part Inductor, "贴片电感", Package=0402, SuppliersPartNumber=C27123, ComponentLink1URL=http://www.szlcsc.com/product/details_27872.html, Supplier=LC
L3: library part "Inductor Iron", "功率电感", LatestRevisionDate=17-Jul-2002, LatestRevisionNote="Re-released for DXP Platform.", PackageDescription="Axial Device, Thru-Hole; 2 Leads; 0.9 in Pin Spacing", PackageReference=AXIAL-0.9, Published=24-Mar-1999, Publisher="Altium Limited"
L4: library part INDUCTOR, "功率电感"
LED1 LED2 LED3: library part LED2_双色共阳, "1.27卧式贴片针座"
P1: library part "Header 3H", "单排插针", LatestRevisionDate=17-Jul-2002, LatestRevisionNote="Re-released for DXP Platform.", Publisher="Altium Limited"
P2 P3 P4: library part WJ2EDGR-5.08-3, "插针", LatestRevisionDate=17-Jul-2002, LatestRevisionNote="Re-released for DXP Platform.", Publisher="Altium Limited"
P5: library part "Header 2*3", "双排插针", LatestRevisionDate=17-Jul-2002, LatestRevisionNote="Re-released for DXP Platform.", Publisher="Altium Limited"
Q1 Q4 Q7: "MOS(场效应管)"
Q2 Q3 Q5 Q6 Q8 Q11 Q12 Q13 Q15 Q16 Q17: "NPN贴片三极管", PackageDocument=Sep-1998, Code_JEDEC=TO-92A, ComponentLink1Description="Manufacturer Link", ComponentLink1URL=http://www.fairchildsemi.com/, ComponentLink2Description=Datasheet, ComponentLink2URL=http://www.fairchildsemi.com/ds/2N%2F2N3904.pdf, DatasheetDocument=1997, LatestRevisionDate=15-Jan-2003, LatestRevisionNote="PCB Footprint 'BCY-W3/D4.7' replaced", PackageReference=TO-92A, Published=8-Jun-2000, Publisher="Altium Limited"
Q9 Q10 Q14: "肖特基二极管"
Q18: "PNP贴片三极管", PackageDocument=Sep-1998, Code_JEDEC=TO-92A, ComponentLink1Description="Manufacturer Link", ComponentLink1URL=http://www.fairchildsemi.com/, ComponentLink2Description=Datasheet, ComponentLink2URL=http://www.fairchildsemi.com/ds/2N%2F2N3906.pdf, DatasheetDocument=1997, LatestRevisionDate=15-Jan-2003, LatestRevisionNote="PCB Footprint 'BCY-W3/D4.7' replaced", PackageReference=TO-92A, Published=8-Jun-2000, Publisher="Altium Limited"
R1 R2 R3 R4 R15 R29 R30 R31 R37 R50 R51 R52 R53 R64 R75 R76 R99 R100 R102 R105 R109: library part "0603 0Ω (0R0) 1%", "贴片电阻", Package=0603, SuppliersPartNumber=C21189, ComponentLink1Description=供应, ComponentLink1URL=http://www.szlcsc.com/product/details_21903.html, Supplier=LC
R5 R66 R70 R81 R95: library part "0603 120Ω (1200) 1%", "贴片电阻", Package=0603, SuppliersPartNumber=C22787, ComponentLink1Description=供应, ComponentLink1URL=http://www.szlcsc.com/product/details_23514.html, Supplier=LC
R6 R12 R16 R33 R36 R54 R55 R57 R77 R82 R83 R84 R101: library part "0603 100KΩ (1003) 1%", "贴片电阻", Package=0603, SuppliersPartNumber=C25803, ComponentLink1Description=供应, ComponentLink1URL=http://www.szlcsc.com/product/details_26546.html, Supplier=LC
R7: library part "0603 180KΩ (1803) 1%", "贴片电阻", Package=0603, SuppliersPartNumber=C22827, ComponentLink1Description=供应, ComponentLink1URL=http://www.szlcsc.com/product/details_23554.html, Supplier=LC
R8 R103 R104: library part "0603 22Ω (22R0) 1%", "贴片电阻", Package=0603, SuppliersPartNumber=C23345, ComponentLink1Description=供应, ComponentLink1URL=http://www.szlcsc.com/product/details_24078.html, Supplier=LC
R9 R10 R21 R23 R42 R43 R45: library part "0603 4.7KΩ (4701) 1%", "贴片电阻", Package=0603, SuppliersPartNumber=C23162, ComponentLink1Description=供应, ComponentLink1URL=http://www.szlcsc.com/product/details_23889.html, Supplier=LC
R11 R24 R39 R59 R88 R107 R110 R112 R113: library part "0603 3.3KΩ (3301) 1%", "贴片电阻", Package=0603, SuppliersPartNumber=C22978, ComponentLink1Description=供应, ComponentLink1URL=http://www.szlcsc.com/product/details_23705.html, Supplier=LC
R13 R17 R26 R28 R32 R38 R48 R71 R72 R79 R80 R85 R86 R89 R90 R91 R106 R111 R117: library part "0603 1KΩ (1001) 1%", "贴片电阻", Package=0603, SuppliersPartNumber=C21190, ComponentLink1Description=供应, ComponentLink1URL=http://www.szlcsc.com/product/details_21904.html, Supplier=LC
R14 R87: library part "0603 20KΩ (2002) 1%", "贴片电阻", Package=0603, SuppliersPartNumber=C4184, ComponentLink1Description=供应, ComponentLink1URL=http://www.szlcsc.com/product/details_4591.html, Supplier=LC
R18: library part "0603 56KΩ (5602) 1%", "贴片电阻", Package=0603, SuppliersPartNumber=C23206, ComponentLink1Description=供应, ComponentLink1URL=http://www.szlcsc.com/product/details_23933.html, Supplier=LC
R19 R20 R22 R25 R27 R34 R44 R46 R49 R60 R62 R63 R65 R67 R69 R74 R78 R93 R94 R96 R97 R98 R108 R114 R115 R116: library part "0603 10KΩ (1002) 1%", "贴片电阻", Package=0603, SuppliersPartNumber=C25804, ComponentLink1Description=供应, ComponentLink1URL=http://www.szlcsc.com/product/details_26547.html, Supplier=LC
R35: library part "0603 75KΩ (7502) 1%", "贴片电阻", Package=0603, SuppliersPartNumber=C23242, ComponentLink1Description=供应, ComponentLink1URL=http://www.szlcsc.com/product/details_23969.html, Supplier=LC
R40: library part "0603 40.2KΩ (4022) 1%", "贴片电阻", Package=0603, SuppliersPartNumber=C12447, ComponentLink1Description=供应, ComponentLink1URL=http://www.szlcsc.com/product/details_13081.html, Supplier=LC
R41: library part "0603 1MΩ (1004) 1%", "贴片电阻", Package=0603, SuppliersPartNumber=C22935, ComponentLink1Description=供应, ComponentLink1URL=http://www.szlcsc.com/product/details_23662.html, Supplier=LC
R47: library part "0603 200Ω (2000) 1%", "贴片电阻", Package=0603, SuppliersPartNumber=C8218, ComponentLink1Description=供应, ComponentLink1URL=http://www.szlcsc.com/product/details_8708.html, Supplier=LC
R56: library part "0603 470Ω (4700) 1%", "贴片电阻", Package=0603, SuppliersPartNumber=C23179, ComponentLink1Description=供应, ComponentLink1URL=http://www.szlcsc.com/product/details_23906.html, Supplier=LC
R58: library part "0603 43KΩ (4302) 1%", "贴片电阻", Package=0603, SuppliersPartNumber=C23172, ComponentLink1Description=供应, ComponentLink1URL=http://www.szlcsc.com/product/details_23899.html, Supplier=LC
R61: library part "0603 24KΩ (2402) 1%", "贴片电阻", Package=0603, SuppliersPartNumber=C23352, ComponentLink1Description=供应, ComponentLink1URL=http://www.szlcsc.com/product/details_24085.html, Supplier=LC
R68 R73 R92: library part "0603 1.2KΩ (1201) 1%", "贴片电阻", Package=0603, SuppliersPartNumber=C22765, ComponentLink1Description=供应, ComponentLink1URL=http://www.szlcsc.com/product/details_23492.html, Supplier=LC
RCS1 RCS2: library part R, "贴片电阻", LatestRevisionDate=17-Jul-2002, LatestRevisionNote="Re-released for DXP Platform.", PackageDescription="Axial Device, Thru-Hole; 2 Leads; 0.4 in Pin Spacing", PackageReference=AXIAL-0.4, Published=8-Jun-2000, Publisher="Altium Limited"
S1 S2 S3: "微型按键开关"
U1: "TTL转RS485模块"
U3: library part 74HC14, "6路施密特触发反相器", LatestRevisionDate=17-Jul-2002, LatestRevisionNote="Re-released for DXP Platform.", Publisher="Altium Limited"
U4: "RS485收发芯片"
U5: "GPRS+GPS"
U6: library part Q817, "光藕"
U8: "充电管理", LatestRevisionDate=17-Jul-2002, LatestRevisionNote="Re-released for DXP Platform.", Publisher="Altium Limited"
U9: "LOAR-UART模块"
U10: library part BAT, "CR2032电池盒/电池座"
U11: "单片机"
U12: library part USB_micro_5p
U13: "74系列逻辑芯片", BOM_LCSC Assembly=Yes, BOM_Manufacturer=Nexperia, BOM_Manufacturer Part=74LVC125APW,118, BOM_Supplier=LCSC, BOM_Supplier Part=C6059, ComponentLink1Description=74LVC125APW, ComponentLink1URL=https://item.szlcsc.com/6525.html, image=//image.lceda.cn/szlcsc/C6059.jpg, SMT Type=Extend, spicePre=U
U14: "TF002 TF卡座 高度1.5", BOM_Manufacturer=SOFNG, BOM_Manufacturer Part=TF-002T-15, BOM_Supplier=LCSC, BOM_Supplier Part=C125616, ComponentLink1Description="TF002 TF¿¨×ù ¸", ComponentLink1URL=https://item.szlcsc.com/136894.html, Contributor=LCSC, spicePre=C
V1 V2 V3: library part "MOSFET P", "MOS(场效应管)"
XS1 XS2 XS3 XS4: "接线座 - 接头", LatestRevisionDate=17-Jul-2002, LatestRevisionNote="Re-released for DXP Platform.", Publisher="Altium Limited"
XS5: library part SIM_卡槽, "SIM_卡槽"
XS6: library part Hea, "1.27卧式贴片针座", LatestRevisionDate=17-Jul-2002, LatestRevisionNote="Re-released for DXP Platform.", Publisher="Altium Limited"
XS7: library part "Header 5", "1.27卧式贴片针座", LatestRevisionDate=17-Jul-2002, LatestRevisionNote="Re-released for DXP Platform.", Publisher="Altium Limited"
Y1: library part CRYSTAL, "Crystal"
Y2: library part CRYSTAL, "晶振", LatestRevisionDate=17-Jul-2002, LatestRevisionNote="Re-released for DXP Platform.", Publisher="Altium Limited"

## Via types
v1: diameter 0.762, hole 0.381, Top Layer to Bottom Layer, 221 vias
v2: diameter 1.016, hole 0.635, Top Layer to Bottom Layer, 61 vias
v3: diameter 0.6, hole 0.3, Top Layer to Bottom Layer, 41 vias
v4: diameter 0.762, hole 0.508, Top Layer to Bottom Layer, 21 vias
v5: diameter 3, hole 2.3, Top Layer to Bottom Layer, 16 vias
v6: diameter 0.7, hole 0.4, Top Layer to Bottom Layer, 15 vias
v7: diameter 1.27, hole 0.635, Top Layer to Bottom Layer, 7 vias
v8: diameter 1.27, hole 0.508, Top Layer to Bottom Layer, 5 vias
v9: diameter 1.016, hole 0.457, Top Layer to Bottom Layer, 5 vias
v10: diameter 1.016, hole 0.508, Top Layer to Bottom Layer, 4 vias
v11: diameter 0.8, hole 0.5, Top Layer to Bottom Layer, 4 vias
v12: diameter 1.27, hole 0.762, Top Layer to Bottom Layer, 2 vias
v13: diameter 0.762, hole 0.457, Top Layer to Bottom Layer, 2 vias
v14: diameter 0.9, hole 0.6, Top Layer to Bottom Layer, 2 vias
v15: diameter 1, hole 0.7, Top Layer to Bottom Layer, 2 vias
v16: diameter 1.021, hole 0.7, Top Layer to Bottom Layer, 2 vias
v17: diameter 1.016, hole 0.381, Top Layer to Bottom Layer, 1 vias
v18: diameter 1.016, hole 0.6, Top Layer to Bottom Layer, 1 vias
v19: diameter 1.012, hole 0.6, Top Layer to Bottom Layer, 1 vias
v20: diameter 0.4, hole 0.3, Top Layer to Bottom Layer, 1 vias

## Nets (pads, with @x,y where several pads share a name; then routed paths per layer and width w, separated by ;. In a path a pad name is that pad's centre, name@x,y a point inside that pad or via, vN(x,y) a via of type N, cw(c..) or ccw(c..) an arc to the next point about the centre after c; other vN are vias at no path point)
1Y: R13.2 U3.2 U3.11 | length 16.1
  Top Layer w0.635: U3.11@34.117,53.302 34.117,54.044 cw(c35.363,54.044) 34.482,54.925 36.478,56.922 ccw(c36.049,57.352) 36.657,57.352 U3.2@36.657,58.502 ; R13.2@40.482,50.619 v1(40.483,51.897)
  Bottom Layer w0.635: v1(34.415,54.99) 39.188,54.99 cw(c39.188,53.695) 40.483,53.695 v1(40.483,51.897)
2A: U3.3 U3.8 | length 8.8
  Top Layer w0.635: U3.8@30.307,53.302 30.307,54.535 cw(c31.722,54.535) 30.721,55.536 cw(c31.547,54.71) 31.547,55.878 33.094,55.878 ccw(c33.094,58.409) 34.884,56.619 ccw(c33.669,57.833) 35.387,57.833 U3.3@35.387,58.502